# Altium PCB MKII.PcbDoc
Units mm, origin at the board's own origin, x right, y up, seen from the top; angles counter-clockwise.
Board outline 65 x 30 mm, 4 copper layers (Top Layer, Layer 2, Layer 3, Bottom Layer), stack 1.641 mm thick; 91 components, 52 nets, 286 pads, 214 vias.
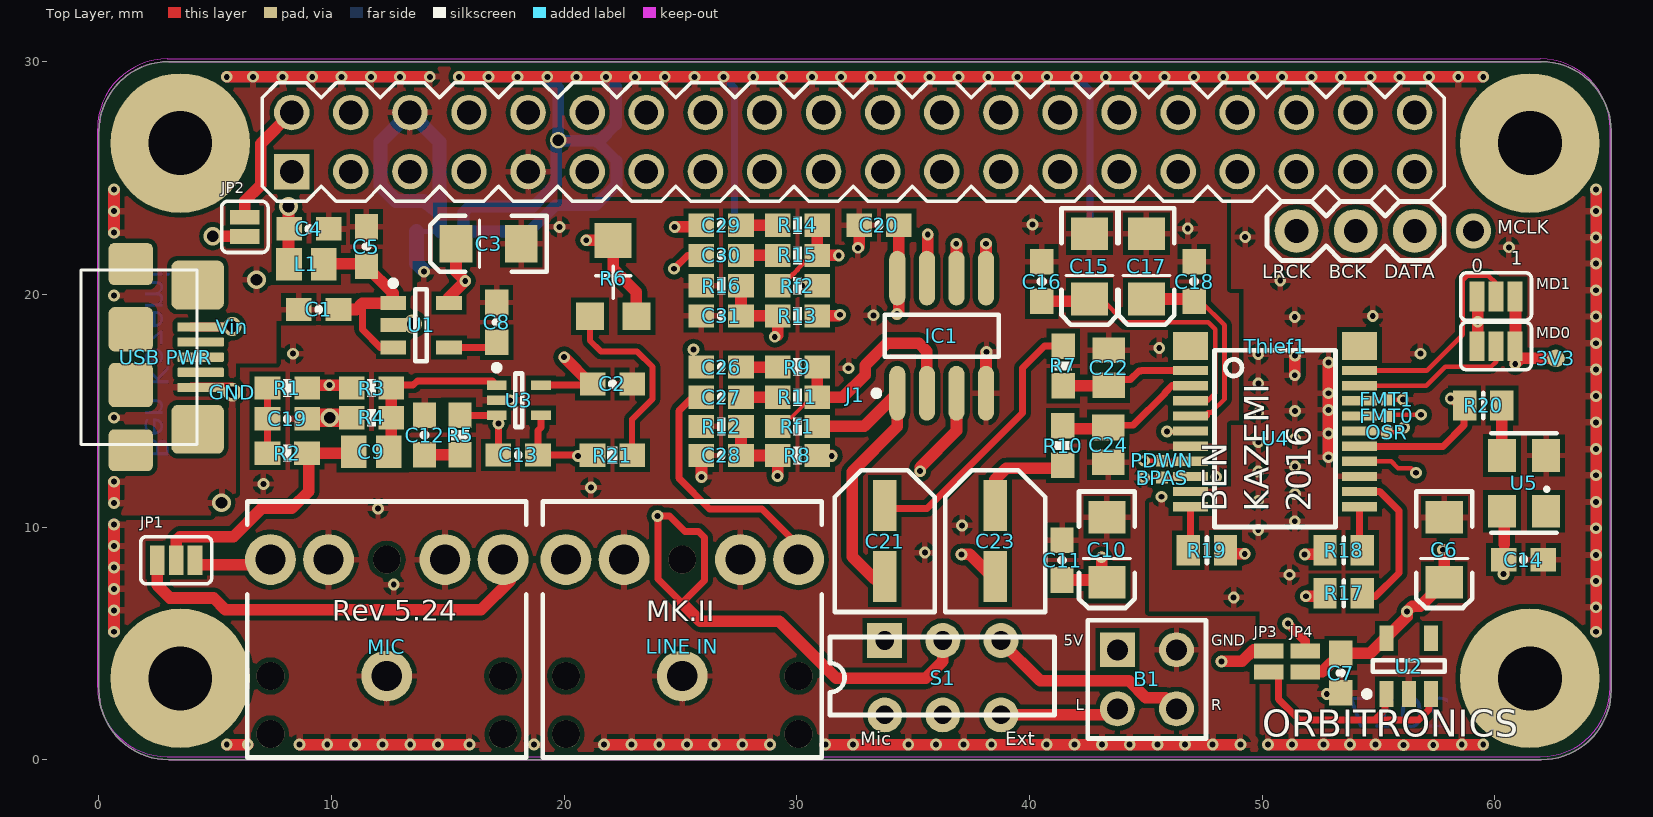
[diagram p0: Top Layer view]
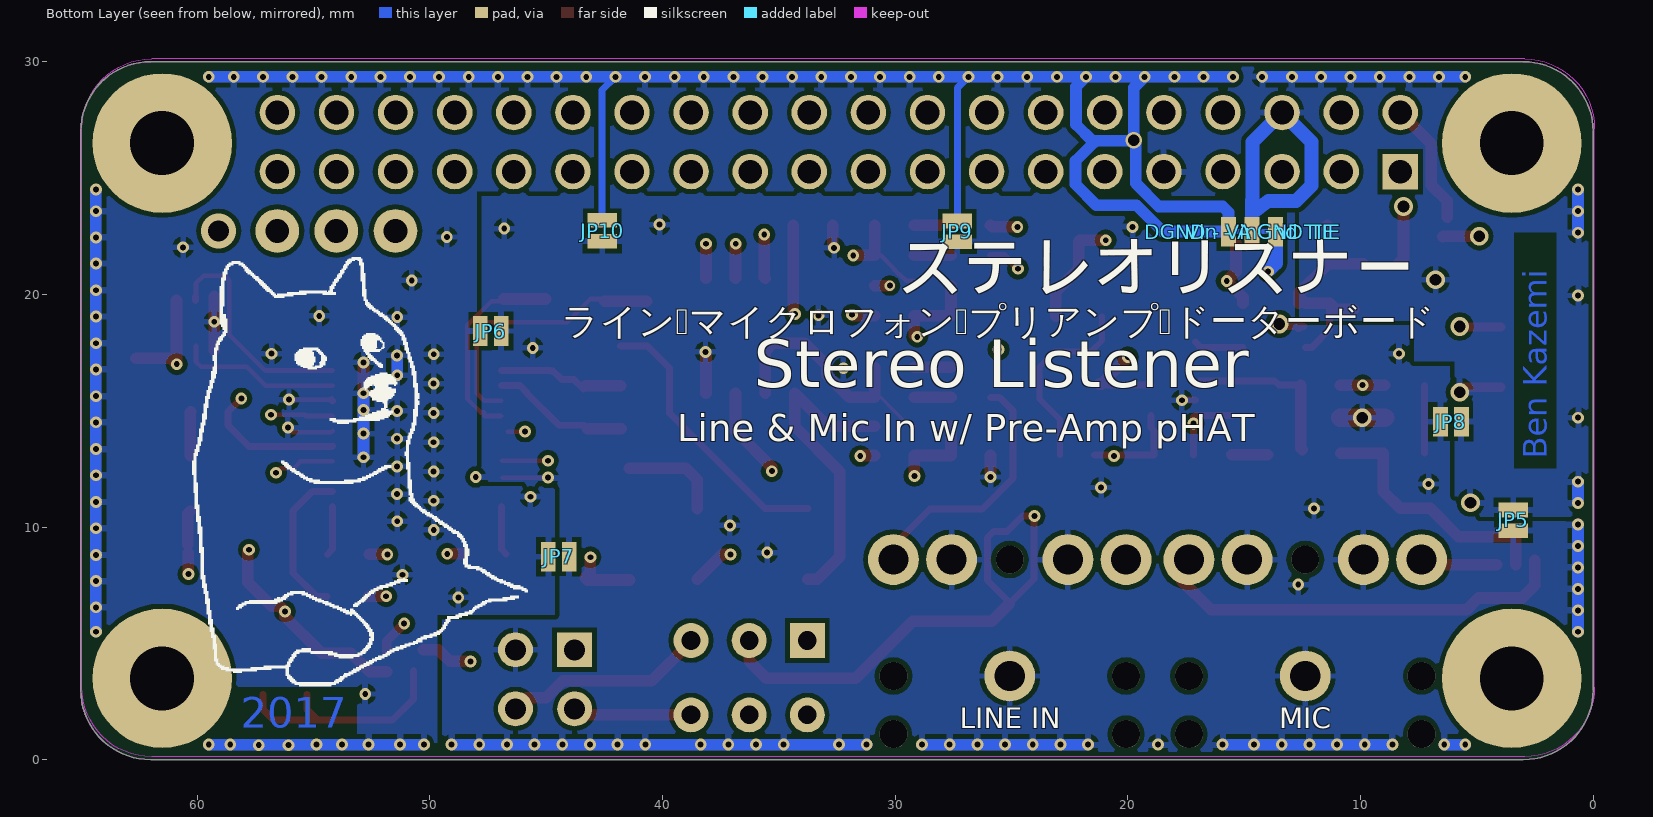
[diagram p1: Bottom Layer view, seen from below]
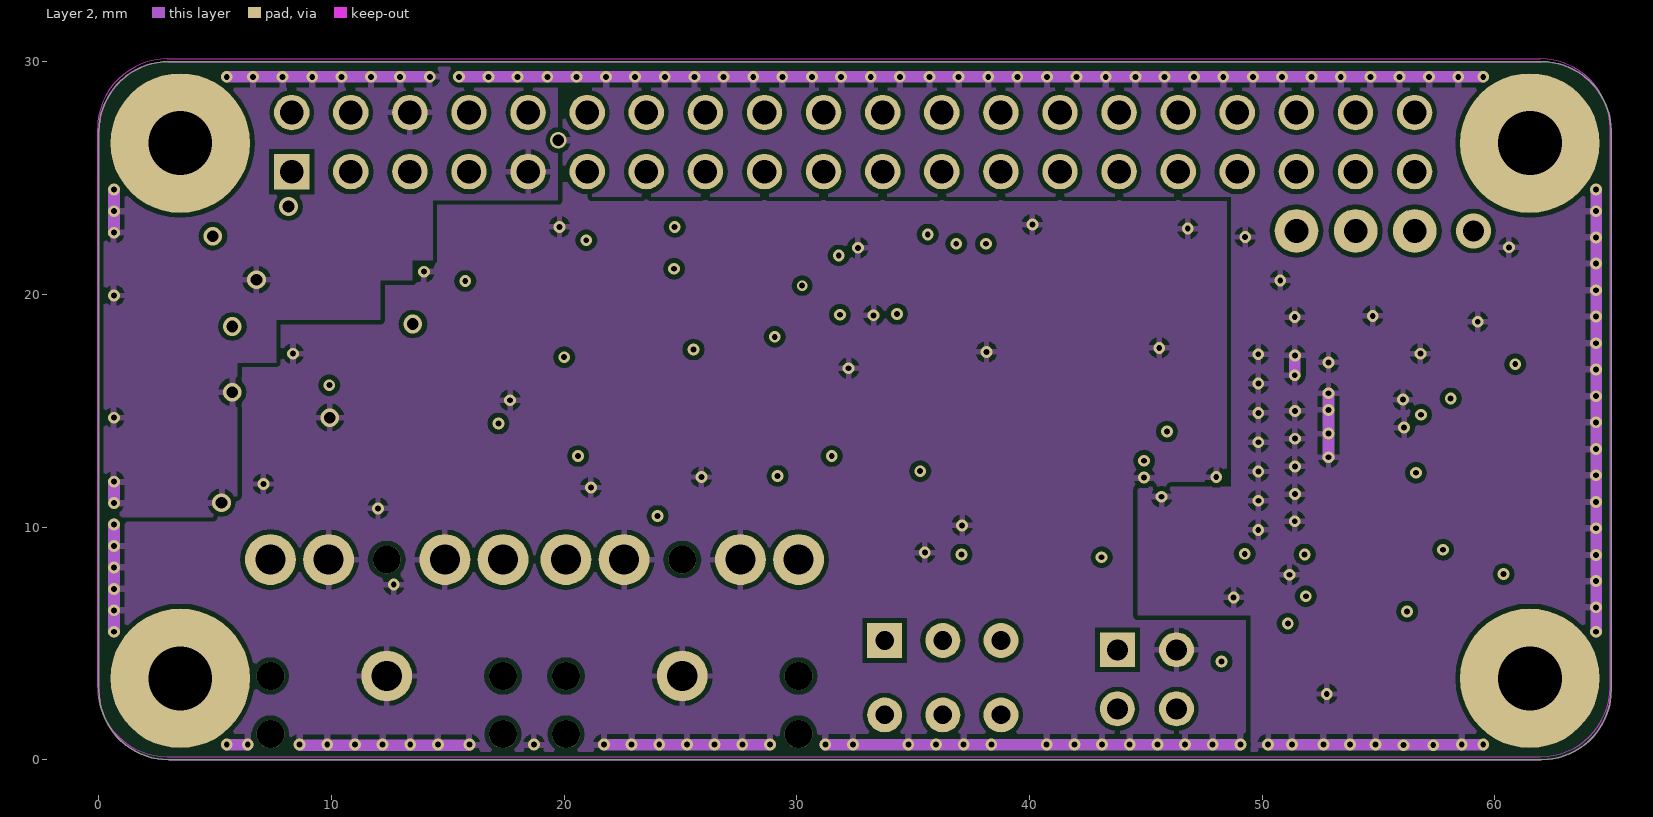
[diagram p2: Layer 2]
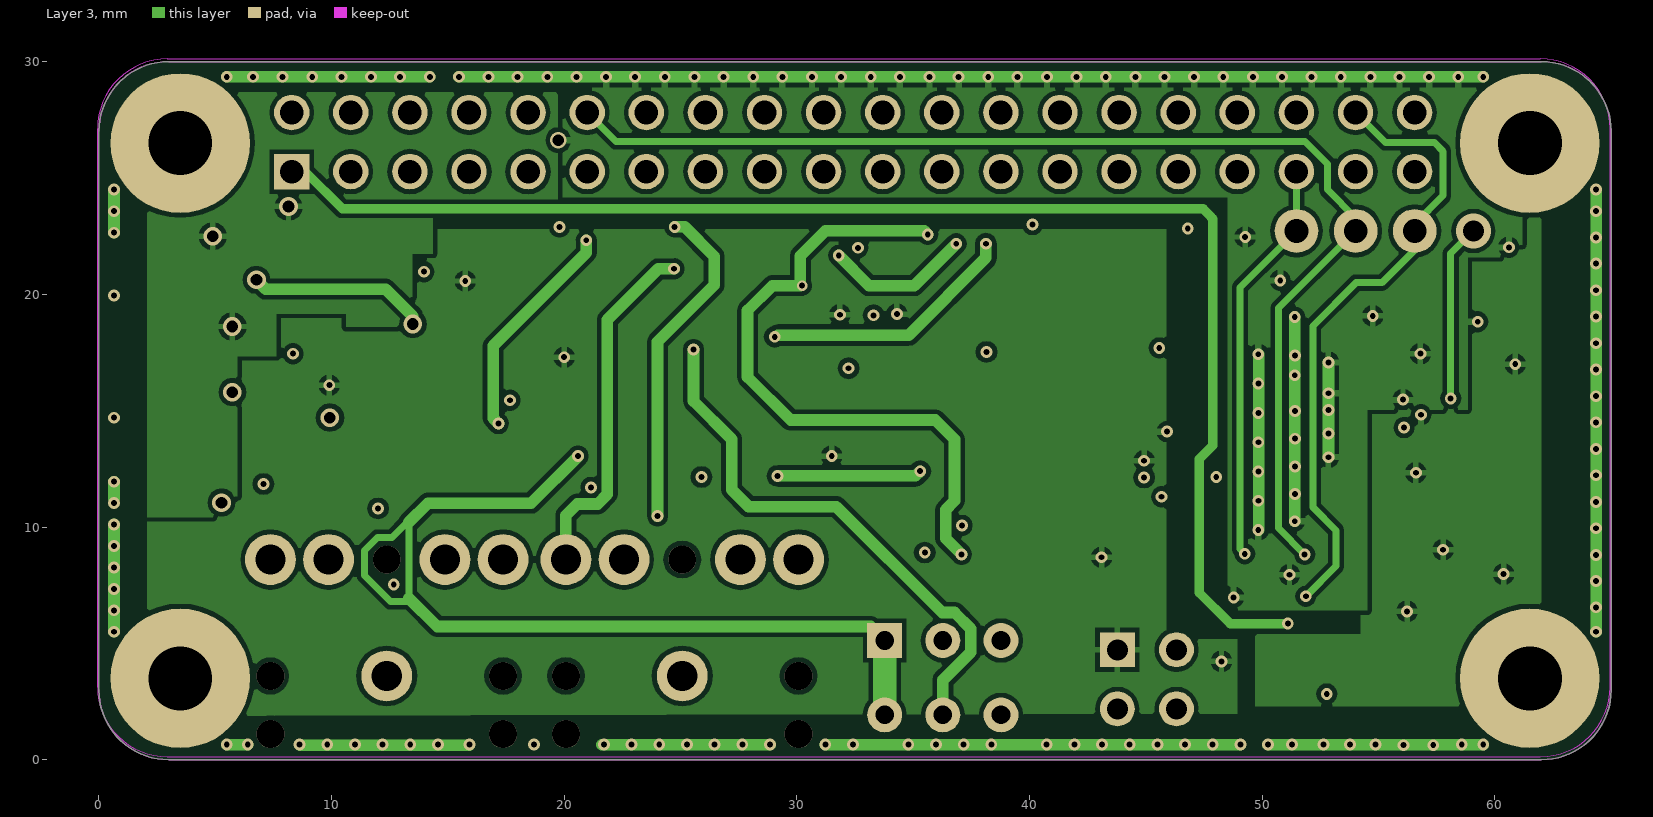
[diagram p3: Layer 3]

## Layer stack, top to bottom
Top Solder: solder mask 0.0254, Solder Resist, Dk 3.5
Top Layer: signal copper 0.0356
Dielectric 1: core 0.1702, FR-4, Dk 4.8
Layer 2: signal copper 0.0178
Dielectric 5: prepreg 1.1938, Dk 4.2
Layer 3: signal copper 0.0178
Dielectric 4: core 0.1702, Dk 4.2
Bottom Layer: signal copper 0.0356
Bottom Solder: solder mask 0.0254, Solder Resist, Dk 3.5

## Board outline
0,3 0,18.75 0,27 cw(c3,27) 3,30 62,30 cw(c62,27) 65,27 65,3 cw(c62,3) 62,0 3,0 cw(c3,3)

## Design rules (kind name [scope] priority, off if disabled: settings)
Clearance [All] p1: gap=0.203 ignorepadtopadclearanceinfootprint=FALSE except(0: Arc-Hole Track-Hole SMDPad-Hole THPad-Hole Via-Hole Fill-Hole Poly-Hole Region-Hole Text-Hole)
ComponentClearance [OnLayer('Top Layer') vs (InComponent('Designator2') AND InComponent('U3'))] p1: gap=0.1 collisioncheckmode=3 verticalgap=0.1 showdistances=TRUE
HoleSize [All] p1: absolutevalues=TRUE maxlimit=5 minlimit=0.254 maxpercent=80.000 minpercent=20.000
MatchedLengths I2S [InNetClass('I2S')] p1 off: tolerance=15.24 checknetsindiffpair=FALSE checkdiffpairvsdiffpair=TRUE checkxsignals=TRUE checkothers=TRUE
MinimumAnnularRing [All] p1: minimumring=0.102
MinimumSolderMaskSliver [Not InComponent('BPAS') and Not InComponent('FMT0') and Not InComponent('OSR') and Not InComponent('FMT1') and Not InComponent('MD0') and Not InComponent('MD1') and Not InComponent('REG - BYP')] p1: minsoldermaskwidth=0.102
PlaneClearance [All] p1: clearance=0.203
PlaneConnect [All] p1: planeconnectstyle=Relief reliefexpansion=0.381 reliefentries=4 reliefconductorwidth=0.254 reliefairgap=0.254
PolygonConnect [All] p1: connectstyle=Relief reliefconductorwidth=0.254 reliefentries=4 polygonreliefangle="90 Angle" airgapwidth=0.2
RoutingVias [All] p1: holewidth=0.381 width=0.508 viastyle="Through Hole" minholewidth=0.254 minwidth=0.381 maxholewidth=1.016 maxwidth=1.5
SilkToSilkClearance [All] p1 off: silktosilkclearance=0.1
SilkToSolderMaskClearance [IsPad] p1 off: minsilkscreentomaskgap=0.07 clearancetoexposedcopper=TRUE
SolderMaskExpansion [All] p1: expansion=0.025
Width [All] p1: maxlimit=1.016 minlimit=0.127 preferedwidth=0.203
23 further rules are at their usual default settings.

## Classes and differential pairs
net class I2S: BCK DOUT LRCK SCK

## Components (designator, comment, footprint, x,y, rotation, side; value= is the part's Value field where it differs from the comment)
3V3 "Bare copper test points for troubleshooting or ICT" PAD.03X.03#1 62.625,17.25 r180 top
B1 "AudioHeader" HDR2X2 43.775,4.725 r0 top
BPAS "Bare copper test points for troubleshooting or ICT" PAD.02X.02 45.7,12.125 r90 top
C1 "10uF" 0603-CAP 9.45,19.35 r180 top
C2 "0.1uF" 0603-CAP 22.07,16.15 r0 top
C3 "10uF" EIA3216 16.75,22.175 r180 top
C4 "0.01uF" 0603-CAP 9.027,22.814 r0 top
C5 "0.1uF" 0603-CAP 11.5,22.05 r90 top
C6 "10uF" EIA3216 57.825,9.025 r270 top
C7 "0.1uF" 0603-CAP 53.375,3.725 r270 top
C8 "0.01uF" 0603-CAP 17.1,18.8 r90 top
C9 "0.01uF Film" C0805 11.709,13.233 r0 top
C10 "10uF" EIA3216 43.325,9.025 r270 top
C11 "0.1uF" 0603-CAP 41.4,8.575 r90 top
C12 "4.7uF" 0603-CAP 14,13.95 r90 top
C13 "68pF" 0603-CAP 18.025,13.1 r0 top
C14 "0.01uF" 0603-CAP 61.225,8.6 r0 top
C15 "10uF" EIA3216 42.575,21.2 r270 top
C16 "0.1uF" 0603-CAP 40.525,20.55 r90 top
C17 "10uF" EIA3216 45.025,21.2 r270 top
C18 "0.1uF" 0603-CAP 47.075,20.55 r90 top
C19 "0.1uF" 0603-CAP 8.1,14.65 r0 top
C20 "0.1uF" 0603-CAP 33.525,22.975 r180 top
C21 "1uF electro" PANASONIC_B_ELECTRO 33.775,9.4 r90 top
C22 "0.01uF Film" C0805 43.4,16.85 r90 top
C23 "1uF electro" PANASONIC_B_ELECTRO 38.525,9.4 r90 top
C24 "0.01uF Film" C0805 43.375,13.527 r270 top
C26 "1uF" 0603-CAP 26.75,16.875 r0 top
C27 "1uF" 0603-CAP 26.75,15.575 r0 top
C28 "1uF" 0603-CAP 26.75,13.075 r180 top
C29 "1uF" 0603-CAP 26.75,22.975 r0 top
C30 "1uF" 0603-CAP 26.75,21.675 r0 top
C31 "1uF" 0603-CAP 26.75,19.075 r180 top
"DGND - VinGnd TIE" "JUMPER-PAD-2-NC_BY_TRACENO_SILK" PAD-JUMPER-2-NC_BY_TRACE_NO_SILK 15.166,22.7 r180 bottom net-tie
FMT0 "Bare copper test points for troubleshooting or ICT" PAD.02X.02 55.35,14.775 r270 top
FMT1 "Bare copper test points for troubleshooting or ICT" PAD.02X.02 55.35,15.475 r90 top
GND "Bare copper test points for troubleshooting or ICT" PAD.03X.03#2 5.74,16.002 r90 top
IC1 "Generic op-amp footprint" MCHP-SOIC-OA8_M 36.225,18.225 r90 top
J1 "PIZERO_THROUGH_HOLE" PIZERO_THOUGH_HOLE -0.05,0.125 r0 top locked
JP1 "Mic LR Selector" PAD-JUMPER-3-2OF3_NC_BY_PASTE_YES_SILK_FULL_BOX 3.325,8.575 r0 top net-tie
JP2 "" PAD-JUMPER-2-NC_BY_PASTE_YES_SILK_FULL_BOX 6.275,22.9 r270 top net-tie
JP3 "Bridge this and disconnect jmp2 for regulated 3v3" PAD-JUMPER-2-NO_NO_SILK 50.275,4.225 r90 top
JP4 "Bridge this and disconnect jmp3 for pi 3v3" PAD-JUMPER-2-NO_NO_SILK 51.85,4.225 r90 top net-tie
JP5 "" PAD-JUMPER-2-NO_NO_SILK 3.429,10.287 r90 bottom net-tie
JP6 "" PAD-JUMPER-2-NO_NO_SILK 47.377,18.425 r0 bottom net-tie
JP7 "" PAD-JUMPER-2-NO_NO_SILK 44.46,8.723 r0 bottom net-tie
JP8 "" PAD-JUMPER-2-NO_NO_SILK 6.115,14.525 r180 bottom net-tie
JP9 "" PAD-JUMPER-2-NO_NO_SILK 27.33,22.708 r90 bottom net-tie
JP10 "" PAD-JUMPER-2-NO_NO_SILK 42.596,22.733 r90 bottom net-tie
L1 "" C0805 8.925,21.298 r0 top
"LINE IN" "Line In Stereo jack" AUDIO-JACK 25.075,3.6 r90 top
"LRCK   BCK   DATA" "Header 3Standard 3-pin 0.1\" header. Use with straight break away headers (SKU : PRT-00116), right angle break away headers (PRT-00553), swiss pins (PRT-00743), machine pins (PRT-00117), and female headers (PRT-00115). Molex polarized connector foot print use with SKU : PRT-08232 with associated crimp pins and housings." 1X03 51.475,22.725 r0 top locked
MCLK "" PAD.03X.05 59.075,22.725 r90 top
MD0 "" PAD-JUMPER-3-2OF3_NC_BY_PASTE_YES_SILK_FULL_BOX 60.05,17.779 r0 top net-tie
MD1 "" PAD-JUMPER-3-2OF3_NC_BY_PASTE_YES_SILK_FULL_BOX 60.05,19.908 r180 top net-tie
MIC "Mic Jack" AUDIO-JACK 12.375,3.6 r90 top
OSR "Bare copper test points for troubleshooting or ICT" PAD.02X.02 55.35,14.075 r90 top
PDWN "Bare copper test points for troubleshooting or ICT" PAD.02X.02 45.7,12.85 r90 top
R1 "1K" 0603-RES 8.1,15.975 r180 top
R2 "1K" 0603-RES 8.1,13.175 r0 top
R3 "1M" 0603-RES 11.725,15.975 r180 top
R4 "1M" 0603-RES 11.725,14.702 r0 top
R5 "1K" 0603-RES 15.525,13.95 r270 top
R6 "100K" TRIMMER 21.104,19.059 r0 top
R7 "100r" 0603-RES 41.45,16.925 r270 top
R8 "1M" 0603-RES 30.025,13.075 r0 top
R9 "10K" 0603-RES 30.025,16.875 r180 top
R10 "100r" 0603-RES 41.425,13.502 r90 top
R11 "10K" 0603-RES 30.025,15.575 r180 top
R12 "1M" 0603-RES 26.75,14.325 r0 top
R13 "1M" 0603-RES 30.025,19.075 r0 top
R14 "10K" 0603-RES 30.025,22.975 r180 top
R15 "10K" 0603-RES 30.025,21.675 r180 top
R16 "1M" 0603-RES 26.75,20.375 r0 top
R17 "33R" 6-0805_L 53.5,7.15 r180 top
R18 "33R" 6-0805_L 53.5,9 r180 top
R19 "33R" 6-0805_L 47.625,9 r0 top
R20 "33R" 6-0805_L 59.5,15.225 r0 top
R21 "10K" 0603-RES 22.07,13.084 r180 top
Rf1 "10K" 0603-RES 30.025,14.325 r180 top
Rf2 "10K" 0603-RES 30.025,20.375 r180 top
S1 "" "MHS222 DPDT SIDE" 38.775,5.125 r90 top
Thief1 "Solder Thief" "SOP SOLDER THIEF" 54.175,17.775 r180 top
U1 "Optional 4.75V Reg" TI-DBV5_N 13.85,18.675 r0 top
U2 "3.3V Regulator" TI-DBV5_N 56.3,4.025 r90 top
U3 "MAX4466" SC70-LT5_N 18.05,15.45 r0 top
U4 "PCM1803a" SSOP20 50.55,13.8 r270 top
U5 "24.576MHz OSCILLATOR" "3.2X2.5 OSC" 60.3,10.675 r90 top
"USB PWR" "Optional USB Power" MicroUSB-HRS1 3.3,17.3 r270 top
Vin "Bare copper test points for troubleshooting or ICT" PAD.03X.03#1 5.74,18.618 r0 top
"Vin - A GND TIE" "JUMPER-PAD-2-NC_BY_TRACENO_SILK" PAD-JUMPER-2-NC_BY_TRACE_NO_SILK 14.166,22.7 r0 bottom net-tie

## Footprints (in the part's own frame and the unit in brackets; to place one, negate y for a bottom-side part, rotate by r counter-clockwise, add the part's x,y. Pads: shape width x height; smd on the part's side, far side on the other; paste and mask are expansions set on the pad)
1X03 [mil]
  round 74 hole 40: 1(0,0) 2(100,0) 3(200,0)
  silkscreen extent -50,-50 250,50
"3.2X2.5 OSC" [mm]
  rect 1.4x1.2 smd: 1(0,-1.9) 2(2.4,-1.9) 3(2.4,0) 4(0,0)
  silkscreen extent -0.92,-2.35 3.35,0.45
6-0805_L [mm] "Chip Resistor, Body 2.0x1.2mm, IPC High Density"
  rect 1x1.3 smd: 1(-0.8,0) 2(0.8,0)
  silkscreen extent 0,-0.55 0,0.55, body extent -1.07,-0.7 1.07,0.7, height 0.7
0603-CAP [mm]
  rect 1.1x1 smd: 1(-0.85,0) 2(0.85,0)
  silkscreen extent 0,-0.03 0,0.03
0603-RES [mm]
  rect 1.1x1 smd: 1(-0.85,0) 2(0.85,0)
  silkscreen extent -0.19,-0.38 0.19,0.38
AUDIO-JACK [mm]
  round 1.2 hole 1.2: 1(-2.5,5) 1(-2.5,-5) 1(0,5) 1(0,-5) 1(5,0)
  round 2.184 hole 1.3: RING(5,5) RSH(5,2.5) SLEEVE(0,0) TIP(5,-5) TSH(5,-2.5)
  silkscreen extent -3.5,-6 7.5,6
C0805 [mm] "Chip Capacitor, Body 2.0x1.3mm, IPC High Density"
  rect 1.1x1.4 smd: 1(-0.75,0) 2(0.75,0)
  body extent -1.1,-0.72 1.1,0.72, height 1.4
EIA3216 [mm]
  rect 1.4x1.6 smd: A(1.4,0) C(-1.4,0)
  silkscreen extent -2.5,-1.2 2.5,1.2
HDR2X2 [mm] "Connector; Header; 2x2 Position"
  rect 1.5x1.5 hole 0.9: 1(0,0)
  round 1.5 hole 0.9: 2(0,-2.54) 3(2.54,0) 4(2.54,-2.54)
  silkscreen extent -1.27,-3.81 3.81,1.27
MCHP-SOIC-OA8_M [mm] "SOIC, 8-Leads, Body 4.9x3.9mm, Pitch 1.27mm, IPC Low Density"
  oval 2.35x0.7 smd: 1(-2.475,1.905) 2(-2.475,0.635) 3(-2.475,-0.635) 4(-2.475,-1.905) 5(2.475,-1.905) 6(2.475,-0.635) 7(2.475,0.635) 8(2.475,1.905)
  silkscreen extent -2.6,-2.45 0.9,2.93, body extent -1.95,-2.45 1.95,2.45, height 1.75
"MHS222 DPDT SIDE" [mm]
  rect 1.5x1.5 hole 0.8: 1(0,5)
  round 1.5 hole 0.8: 2(0,2.5) 3(0,0) 4(-3.2,5) 5(-3.2,2.5) 6(-3.2,0)
  silkscreen extent -3.2,-2.3 0.15,7.35
MicroUSB-HRS1 [mm] "MicroUSB HRS ZX62-AB-5PA"
  rrect25% 0.4x2 smd: 1(-1.3,1.075) 2(-0.65,1.075) 3(0,1.075) 4(0.65,1.075) 5(1.3,1.075)
  rrect25% 2.1x2.25 smd: 6(3.1,0.95) 7(-3.1,0.95)
  rrect25% 1.8x1.9 smd: 8(-4,-1.925) 9(4,-1.925)
  rrect25% 1.9x1.9 smd: 10(-1.2,-1.925) 11(1.2,-1.925)
  silkscreen extent -3.75,-4.08 3.75,0.92, body extent -4.45,-4.75 4.45,0.97, height 3.2
PAD-JUMPER-2-NC_BY_PASTE_YES_SILK_FULL_BOX [mm]
  rect 0.635x1.27 smd: 1(-0.412,0) 2(0.412,0)
  silkscreen extent -1.1,-1 1.1,1
PAD-JUMPER-2-NC_BY_TRACE_NO_SILK [mil]
  rect 25x50 smd: 1(-20,0) 2(20,0)
  Top Layer lines w8: 15,0 -15,0
PAD-JUMPER-2-NO_NO_SILK [mm]
  rect 0.635x1.27 smd: 1(-0.45,0) 2(0.45,0)
PAD-JUMPER-3-2OF3_NC_BY_PASTE_YES_SILK_FULL_BOX [mil]
  rect 25x50 smd: 1(-32,0) 2(0,0) 3(32,0)
  silkscreen extent -60,-40 60,40
PAD.02X.02 [mil]
  rect 20x20 smd: P$1(0,0)
PAD.03X.03#1 [mil]
  rrect100% 30x30 smd: P$1(0,0)
PAD.03X.03#2 [mil]
  rrect100% 30x30 smd: P$1(-7.95,0)
PAD.03X.05 [mm]
  rrect100% 1.27x1.27 smd: P$1(0,0)
PANASONIC_B_ELECTRO [mm]
  rect 2.2x1 smd: +(1.524,0) -(-1.524,0)
  silkscreen extent -3.05,-2.15 3.04,2.15
PIZERO_THOUGH_HOLE [mil]
  round 236.22 hole 108.27 mask-3.94: 0(139.76,132.87) 0(139.76,1038.39)
  round 236.22 hole 108.27 mask+1: 0(2423.23,132.87) 0(2423.23,1038.39)
  rect 60x60 hole 40: 1(328.35,990.16)
  round 60 hole 40: 2(328.35,1090.16) 3(428.35,990.16) 4(428.35,1090.16) 5(528.35,990.16) 6(528.35,1090.16) 7(628.35,990.16) 8(628.35,1090.16) 9(728.35,990.16) 10(728.35,1090.16) 11(828.35,990.16) 12(828.35,1090.16) 13(928.35,990.16) 14(928.35,1090.16) 15(1028.35,990.16) 16(1028.35,1090.16) 17(1128.35,990.16) 18(1128.35,1090.16) 19(1228.35,990.16) 20(1228.35,1090.16) 21(1328.35,990.16) 22(1328.35,1090.16) 23(1428.35,990.16) 24(1428.35,1090.16) 25(1528.35,990.16) 26(1528.35,1090.16) 27(1628.35,990.16) 28(1628.35,1090.16) 29(1728.35,990.16) 30(1728.35,1090.16) 31(1828.35,990.16) 32(1828.35,1090.16) 33(1928.35,990.16) 34(1928.35,1090.16) 35(2028.35,990.16) 36(2028.35,1090.16) 37(2128.35,990.16) 38(2128.35,1090.16) 39(2228.35,990.16) 40(2228.35,1090.16)
  Keep-Out Layer lines w0: 0,118.11 ccw(c118.11,118.11) 118.11,0 2440.94,0 ccw(c2440.95,118.12) 2559.06,118.11 2559.06,1062.99 ccw(c2440.95,1062.99) 2440.94,1181.1 118.11,1181.1 ccw(c118.11,1062.99) 0,1062.99 0,118.11
  Mechanical 8 keep-out circle w122.05: c137.8,137.8 r61.02
  Mechanical 8 keep-out circle w122.05: c2421.26,137.8 r61.02
  Mechanical 8 keep-out circle w122.05: c2421.26,1043.31 r61.02
  Mechanical 8 keep-out circle w122.05: c137.8,1043.31 r61.02
  Mechanical 9 keep-out circle w122.05: c2421.26,1043.31 r61.02
  Mechanical 9 keep-out circle w122.05: c2421.26,137.8 r61.02
  Mechanical 9 keep-out circle w122.05: c137.8,1043.31 r61.02
  Mechanical 9 keep-out circle w122.05: c137.8,137.8 r61.02
  silkscreen extent 278,940 2278,1140
SC70-LT5_N [mm] "SOT353, 5-Leads, Body 2x1.3mm, Pitch 0.65mm, Lead Span 2.1mm, IPC Medium Density"
  rect 0.85x0.4 smd: 1(-0.95,0.65) 2(-0.95,0) 3(-0.95,-0.65) 4(0.95,-0.65) 5(0.95,0.65)
  silkscreen extent -1.07,-1.15 0.15,1.52, body extent -0.67,-1.12 0.68,1.13, height 1.1
"SOP SOLDER THIEF" [mm]
  rect 1.5x1.2 smd mask+0: T(0,0) T(7.25,0)
SSOP20 [mm]
  rect 0.4x1.5 smd: 1(-2.925,-3.625) 2(-2.275,-3.625) 3(-1.625,-3.625) 4(-0.975,-3.625) 5(-0.325,-3.625) 6(0.325,-3.625) 7(0.975,-3.625) 8(1.625,-3.625) 9(2.275,-3.625) 10(2.925,-3.625) 11(2.925,3.625) 12(2.275,3.625) 13(1.625,3.625) 14(0.975,3.625) 15(0.325,3.625) 16(-0.325,3.625) 17(-0.975,3.625) 18(-1.625,3.625) 19(-2.275,3.625) 20(-2.925,3.625)
  silkscreen extent -3.82,-2.6 3.8,2.6
TI-DBV5_N [mm] "SOT23, 5-Leads, Body 2.9x1.6mm, Pitch 0.95mm, IPC Medium Density"
  rect 1.1x0.6 smd: 1(-1.2,0.95) 2(-1.2,0) 3(-1.2,-0.95) 4(1.2,-0.95) 5(1.2,0.95)
  silkscreen extent -1.32,-1.55 0.25,1.92, body extent -0.87,-1.52 0.87,1.53, height 1.45
TRIMMER [mm]
  rect 1.2x1.2 smd: 1(0,0) 3(2,0)
  rect 1.6x1.5 smd: 2(1,3.25)
  silkscreen extent 0.25,0.77 1.75,2.15

## Part data
3V3 GND Vin: library part TEST-POINT3
B1: library part "Header 2X2", "Header, 2-Pin, Dual row"